# Altium PCB 6_layers_Testboard.PcbDoc (part 2 of 3)
Units mil, origin at the board's own origin, x right, y up, seen from the top; angles counter-clockwise.
Board outline 5500 x 5000 mil, 6 copper layers (Top layer, Ground1, Inner Layer 1, Inner Layer 2, Ground2, Bottom Layer), stack 22.312 mil thick; 137 components, 96 nets, 1379 pads, 782 vias.
Unrouted connection lines stored in the file: 363.
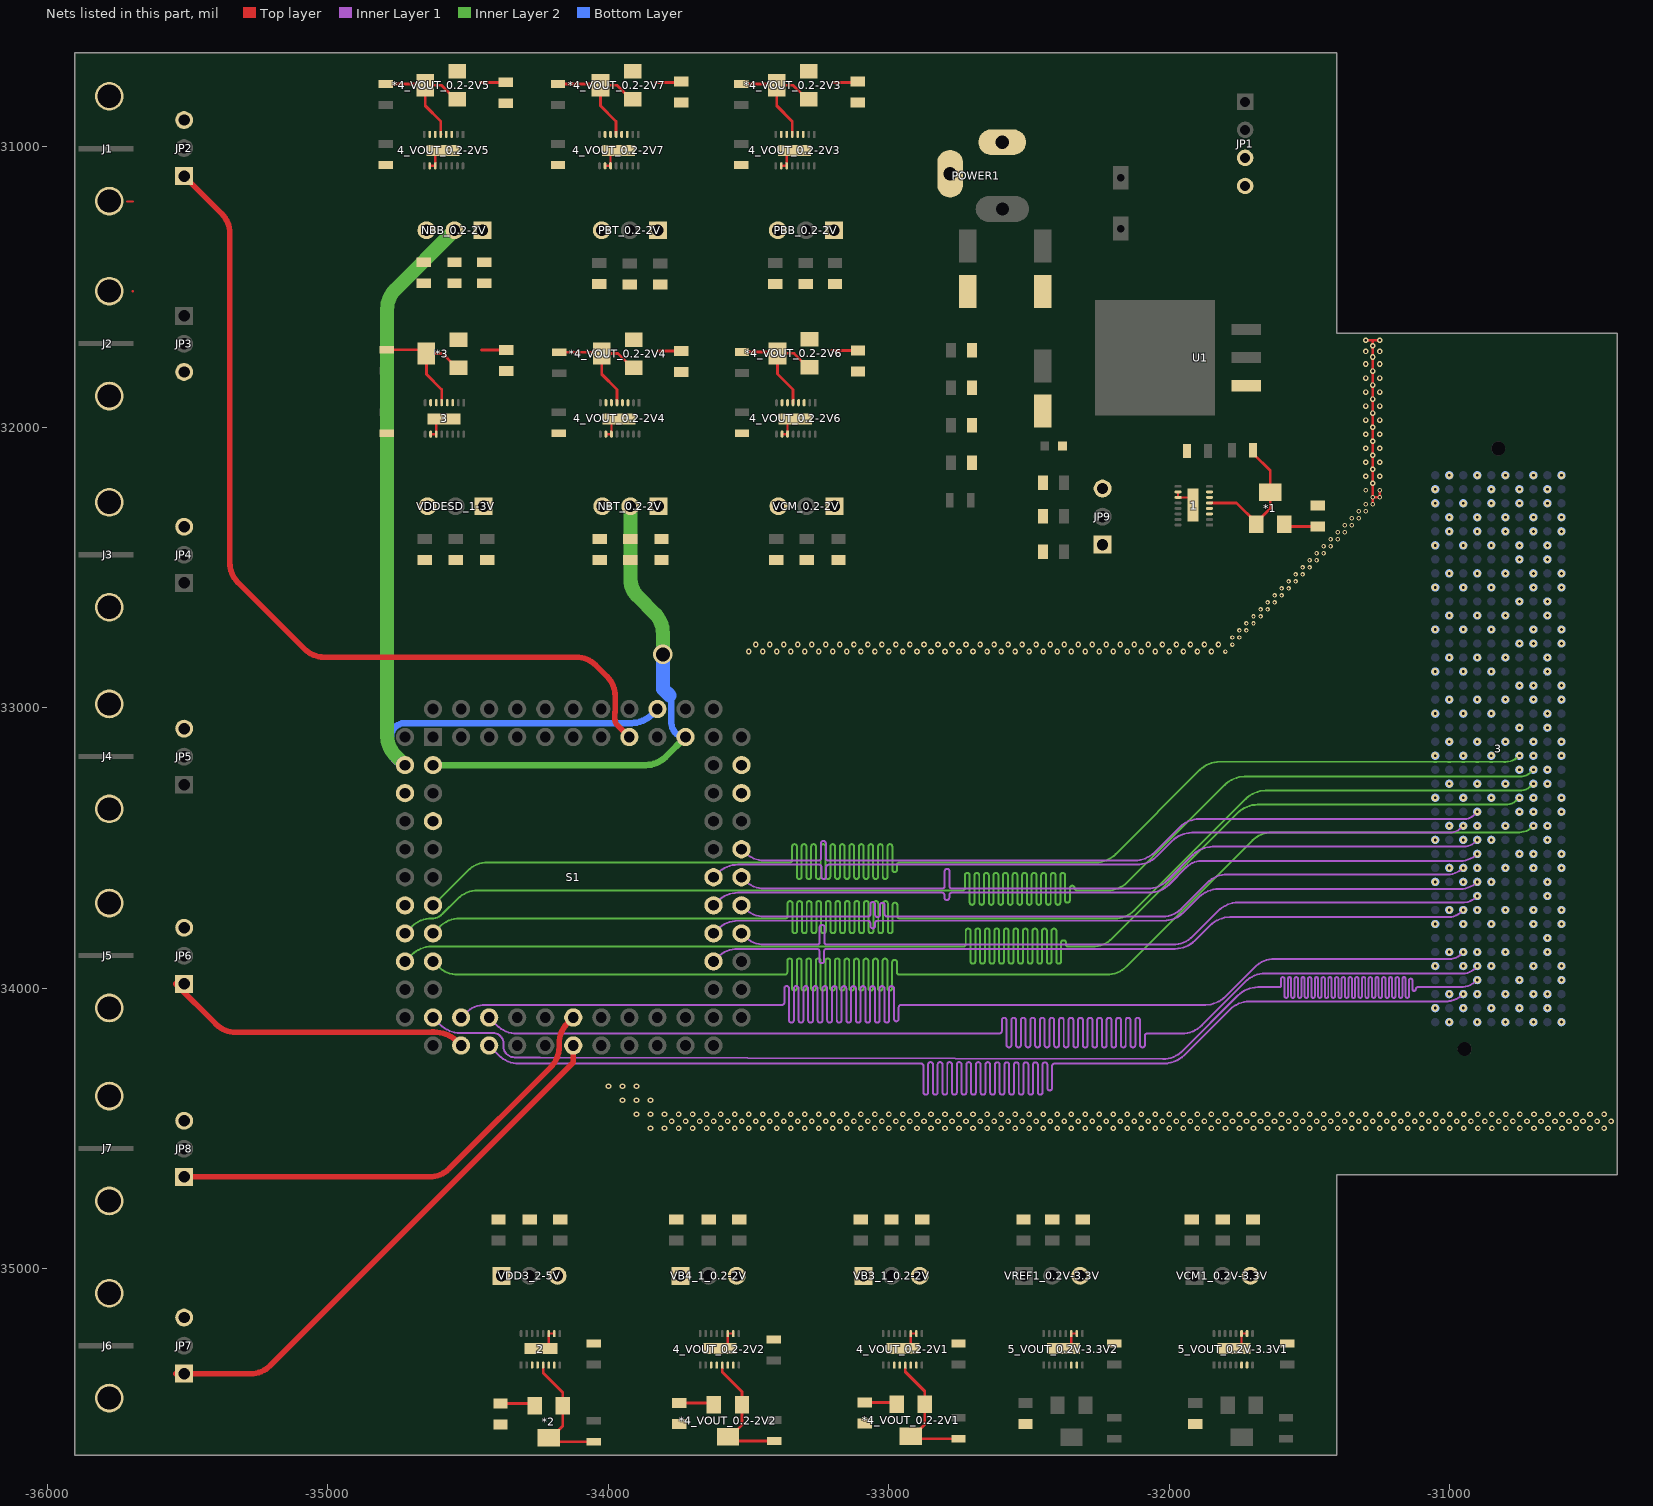
[diagram p6: the nets of this part, all layers, seen from the top]

## Via types
v1: diameter 25, hole 10, Top layer to Bottom Layer, 399 vias
v2: diameter 20, hole 10, Top layer to Bottom Layer, 314 vias
v3: diameter 16, hole 8, Top layer to Bottom Layer, 46 vias
v4: diameter 70, hole 50, Top layer to Bottom Layer, 15 vias
v5: diameter 80, hole 50, Top layer to Bottom Layer, 4 vias
v6: diameter 32, hole 16, Top layer to Bottom Layer, 2 vias
v7: diameter 25, hole 10, Top layer to Bottom Layer, tented both sides, 1 vias
v8: diameter 50, hole 35, Top layer to Bottom Layer, 1 vias

## Nets (pads, with @x,y where several pads share a name; then routed paths per layer and width w, separated by ;. In a path a pad name is that pad's centre, name@x,y a point inside that pad or via, vN(x,y) a via of type N, cw(c..) or ccw(c..) an arc to the next point about the centre after c; other vN are vias at no path point) (continued)
ADC_DOUT3: 3.H32 S1.17 | length 2821.9
  Inner Layer 1 w7: S1.17@-33625.44,-33905 -33609.73,-33889.29 cw(c-33539.02,-33960) -33539.02,-33860 -33277,-33860 -33256.5,-33860 cw(c-33256.5,-33868.5) -33248,-33868.5 -33248,-33902.95 ccw(c-33239.5,-33902.95) -33231,-33902.95 -33231,-33868.5 cw(c-33222.5,-33868.5) -33222.5,-33860 -33135,-33860 -31979.42,-33860 ccw(c-31979.42,-33760) -31908.71,-33830.71 -31854.29,-33776.29 cw(c-31783.58,-33847) -31783.58,-33747 -31013.53,-33747 ccw(c-31013.53,-33659.98) -31002.83,-33746.34 ccw(c-31002.83,-33683.55) -30958.44,-33727.95 v1(-30952,-33721.51)
ADC_DOUT4: 3.G31 S1.18 | length 2821.9
  Inner Layer 1 w7: S1.18@-33525.44,-33805 -33514.73,-33815.71 ccw(c-33444.02,-33745) -33444.02,-33845 -33259,-33845 -33255.5,-33845 ccw(c-33255.5,-33836.5) -33247,-33836.5 -33247,-33783.32 cw(c-33238.5,-33783.32) -33230,-33783.32 -33230,-33836.5 ccw(c-33221.5,-33836.5) -33221.5,-33845 -33121,-33845 -31987.42,-33845 ccw(c-31987.42,-33745) -31916.71,-33815.71 -31825.29,-33724.29 cw(c-31754.58,-33795) -31754.58,-33695 -30958.71,-33695 ccw(c-30958.71,-33614.81) -30950.16,-33694.54 ccw(c-30950.16,-33633.89) -30907.27,-33676.78 v1(-30902,-33671.51)
ADC_DOUT5: 3.G30 S1.19 | length 2821.9
  Inner Layer 1 w7: S1.19@-33625.44,-33805 -33609.73,-33789.29 cw(c-33539.02,-33860) -33539.02,-33760 -33095.37,-33760 -33074.87,-33760 cw(c-33074.87,-33768.5) -33066.37,-33768.5 -33066.37,-33778.35 ccw(c-33057.87,-33778.35) -33049.37,-33778.35 -33049.37,-33768.5 cw(c-33040.87,-33768.5) -33040.87,-33760 -32946.5,-33760 -32020.42,-33760 ccw(c-32020.42,-33660) -31949.71,-33730.71 -31895.29,-33676.29 cw(c-31824.58,-33747) -31824.58,-33647 -30963.53,-33647 ccw(c-30963.53,-33559.98) v1(-30902,-33621.51)
ADC_DOUT6: 3.H29 S1.20 | length 2821.9
  Inner Layer 1 w7: S1.20@-33525.44,-33705 -33514.73,-33715.71 ccw(c-33444.02,-33645) -33444.02,-33745 -33078,-33745 -33074.5,-33745 ccw(c-33074.5,-33736.5) -33066,-33736.5 -33066,-33701.79 cw(c-33057.5,-33701.79) -33049,-33701.79 -33049,-33738.5 ccw(c-33040.5,-33738.5) -33032,-33738.5 -33032,-33704.57 cw(c-33023.5,-33704.57) -33015,-33704.57 -33015,-33736.5 ccw(c-33006.5,-33736.5) -33006.5,-33745 -32909,-33745 -32023.18,-33745 ccw(c-32023.18,-33652.82) -31958,-33718 -31864.29,-33624.29 cw(c-31793.58,-33695) -31793.58,-33595 -31008.71,-33595 ccw(c-31008.71,-33514.81) v1(-30952,-33571.51)
ADC_DOUT7: 3.G28 S1.21 | length 2821.9
  Inner Layer 1 w7: S1.21@-33625.44,-33705 -33609.73,-33689.29 cw(c-33539.02,-33760) -33539.02,-33660 -32830.71,-33660 -32810.21,-33660 cw(c-32810.21,-33668.5) -32801.71,-33668.5 -32801.71,-33677.84 ccw(c-32793.21,-33677.84) -32784.71,-33677.84 -32784.71,-33668.5 cw(c-32776.21,-33668.5) -32776.21,-33660 -32722,-33660 -32071.42,-33660 ccw(c-32071.42,-33560) -32000.71,-33630.71 -31939.29,-33569.29 cw(c-31885.48,-33623.1) -31885.48,-33547 -30963.53,-33547 ccw(c-30963.53,-33459.98) v1(-30902,-33521.51)
ADC_DOUT8: 3.G27 S1.22 | length 2821.9
  Inner Layer 1 w7: S1.22@-33525.44,-33605 -33514.73,-33615.71 ccw(c-33444.02,-33545) -33444.02,-33645 -32813,-33645 -32809.5,-33645 ccw(c-32809.5,-33636.5) -32801,-33636.5 -32801,-33583.34 cw(c-32792.5,-33583.34) -32784,-33583.34 -32784,-33636.5 ccw(c-32775.5,-33636.5) -32775.5,-33645 -32738,-33645 -32077.42,-33645 ccw(c-32077.42,-33545) -32006.71,-33615.71 -31916.29,-33525.29 cw(c-31845.58,-33596) -31845.58,-33496 -30961.12,-33496 ccw(c-30961.12,-33412.39) -30948.98,-33495.11 ccw(c-30948.98,-33438.67) -30909.07,-33478.58 v1(-30902,-33471.51)
ADC_DOUT9: 3.H26 S1.23 | length 2821.9
  Inner Layer 1 w7: S1.23@-33625.44,-33605 -33609.73,-33589.29 cw(c-33539.02,-33660) -33539.02,-33560 -33269.5,-33560 -33249,-33560 cw(c-33249,-33568.5) -33240.5,-33568.5 -33240.5,-33602.88 ccw(c-33232,-33602.88) -33223.5,-33602.88 -33223.5,-33568.5 cw(c-33215,-33568.5) -33215,-33560 -33184.5,-33560 -32116.42,-33560 ccw(c-32116.42,-33460) -32045.71,-33530.71 -31990.29,-33475.29 cw(c-31919.58,-33546) -31919.58,-33446 -31011.12,-33446 ccw(c-31011.12,-33362.39) -30999.97,-33445.25 ccw(c-30999.97,-33386.77) -30958.61,-33428.12 v1(-30952,-33421.51)
ADC_DOUT10: 3.G25 S1.24 | length 2821.9
  Inner Layer 1 w7: S1.24@-33525.44,-33505 -33514.73,-33515.71 ccw(c-33444.02,-33445) -33444.02,-33545 -33254,-33545 -33250.5,-33545 ccw(c-33250.5,-33536.5) -33242,-33536.5 -33242,-33483.68 cw(c-33233.5,-33483.68) -33225,-33483.68 -33225,-33536.5 ccw(c-33216.5,-33536.5) -33216.5,-33545 -33142.9,-33545 -32123.42,-33545 ccw(c-32123.42,-33445) -32052.71,-33515.71 -31963.8,-33426.8 cw(c-31893.09,-33497.51) -31893.09,-33397.51 -30947.86,-33397.51 ccw(c-30947.86,-33349.54) -30913.95,-33383.46 v1(-30902,-33371.51)
ADC_VIN: JP2.1 S1.40 | length 3210
  Top layer w20: JP2.1@-35513,-31105 -35379.29,-31238.71 cw(c-35450,-31309.42) -35350,-31309.42 -35350,-32483.58 ccw(c-35250,-32483.58) -35320.71,-32554.29 -35084.29,-32790.71 ccw(c-35013.58,-32720) -35013.58,-32820 -34115.42,-32820 cw(c-34115.42,-32920) -34044.71,-32849.29 -34005.29,-32888.71 cw(c-34076,-32959.42) -33976,-32959.42 -33976,-33014.59 cw(c-33979.41,-33014.59) -33977,-33017 -33977,-33040 ccw(c-33944.56,-33040) -33967.5,-33062.94 S1.40@-33925.44,-33105
DAC_CLK_AZ_IN1: 3.D24 S1.70 | length 6591.6
  Inner Layer 2 w7: S1.70@-34725.44,-33905 -34701.73,-33881.29 cw(c-34631.02,-33952) -34631.02,-33852 -32737.98,-33852 -32734.48,-33852 ccw(c-32734.48,-33843.5) -32725.98,-33843.5 -32725.98,-33796.28 cw(c-32717.48,-33796.28) -32708.98,-33796.28 -32708.98,-33904.65 ccw(c-32700.48,-33904.65) -32691.98,-33904.65 -32691.98,-33796.28 cw(c-32683.48,-33796.28) -32674.98,-33796.28 -32674.98,-33904.65 ccw(c-32666.48,-33904.65) -32657.98,-33904.65 -32657.98,-33796.28 cw(c-32649.48,-33796.28) -32640.98,-33796.28 -32640.98,-33904.65 ccw(c-32632.48,-33904.65) -32623.98,-33904.65 -32623.98,-33796.28 cw(c-32615.48,-33796.28) -32606.98,-33796.28 -32606.98,-33904.65 ccw(c-32598.48,-33904.65) -32589.98,-33904.65 -32589.98,-33796.28 cw(c-32581.48,-33796.28) -32572.98,-33796.28 -32572.98,-33904.65 ccw(c-32564.48,-33904.65) -32555.98,-33904.65 -32555.98,-33796.28 cw(c-32547.48,-33796.28) -32538.98,-33796.28 -32538.98,-33904.65 ccw(c-32530.48,-33904.65) -32521.98,-33904.65 -32521.98,-33796.28 cw(c-32513.48,-33796.28) -32504.98,-33796.28 -32504.98,-33904.65 ccw(c-32496.48,-33904.65) -32487.98,-33904.65 -32487.98,-33796.28 cw(c-32479.48,-33796.28) -32470.98,-33796.28 -32470.98,-33904.65 ccw(c-32462.48,-33904.65) -32453.98,-33904.65 -32453.98,-33796.28 cw(c-32445.48,-33796.28) -32436.98,-33796.28 -32436.98,-33904.65 ccw(c-32428.48,-33904.65) -32419.98,-33904.65 -32419.98,-33796.28 cw(c-32411.48,-33796.28) -32402.98,-33796.28 -32402.98,-33904.65 ccw(c-32394.48,-33904.65) -32385.98,-33904.65 -32385.98,-33837.96 cw(c-32377.48,-33837.96) -32368.98,-33837.96 -32368.98,-33843.5 ccw(c-32360.48,-33843.5) -32360.48,-33852 -32330.56,-33852 -32274.42,-33852 ccw(c-32274.42,-33752) -32203.71,-33822.71 -31756.29,-33375.29 cw(c-31685.58,-33446) -31685.58,-33346 -30802,-33346 ccw(c-30802,-33284.41) -30758.45,-33327.96 v1(-30752,-33321.51)
DAC_CLK_DAC_IN1: 3.C26 S1.71 | length 6591.6
  Inner Layer 2 w7: S1.71@-34625.44,-33905 -34607.73,-33922.71 ccw(c-34537.02,-33852) -34537.02,-33952 -33374.39,-33952 -33370.89,-33952 ccw(c-33370.89,-33943.5) -33362.39,-33943.5 -33362.39,-33903.2 cw(c-33353.89,-33903.2) -33345.39,-33903.2 -33345.39,-34000.52 ccw(c-33336.89,-34000.52) -33328.39,-34000.52 -33328.39,-33903.2 cw(c-33319.89,-33903.2) -33311.39,-33903.2 -33311.39,-34000.52 ccw(c-33302.89,-34000.52) -33294.39,-34000.52 -33294.39,-33903.2 cw(c-33285.89,-33903.2) -33277.39,-33903.2 -33277.39,-34000.52 ccw(c-33268.89,-34000.52) -33260.39,-34000.52 -33260.39,-33903.2 cw(c-33251.89,-33903.2) -33243.39,-33903.2 -33243.39,-34000.52 ccw(c-33234.89,-34000.52) -33226.39,-34000.52 -33226.39,-33903.2 cw(c-33217.89,-33903.2) -33209.39,-33903.2 -33209.39,-34000.52 ccw(c-33200.89,-34000.52) -33192.39,-34000.52 -33192.39,-33903.2 cw(c-33183.89,-33903.2) -33175.39,-33903.2 -33175.39,-34000.52 ccw(c-33166.89,-34000.52) -33158.39,-34000.52 -33158.39,-33903.2 cw(c-33149.89,-33903.2) -33141.39,-33903.2 -33141.39,-34000.52 ccw(c-33132.89,-34000.52) -33124.39,-34000.52 -33124.39,-33903.2 cw(c-33115.89,-33903.2) -33107.39,-33903.2 -33107.39,-34000.52 ccw(c-33098.89,-34000.52) -33090.39,-34000.52 -33090.39,-33903.2 cw(c-33081.89,-33903.2) -33073.39,-33903.2 -33073.39,-34000.52 ccw(c-33064.89,-34000.52) -33056.39,-34000.52 -33056.39,-33903.2 cw(c-33047.89,-33903.2) -33039.39,-33903.2 -33039.39,-34000.52 ccw(c-33030.89,-34000.52) -33022.39,-34000.52 -33022.39,-33903.2 cw(c-33013.89,-33903.2) -33005.39,-33903.2 -33005.39,-34000.52 ccw(c-32996.89,-34000.52) -32988.39,-34000.52 -32988.39,-33908.12 cw(c-32979.89,-33908.12) -32971.39,-33908.12 -32971.39,-33943.5 ccw(c-32962.89,-33943.5) -32962.89,-33952 -32855.32,-33952 -32223.42,-33952 ccw(c-32223.42,-33852) -32152.71,-33922.71 -31703.94,-33473.94 cw(c-31633.23,-33544.65) -31633.23,-33444.65 -30752,-33444.65 ccw(c-30752,-33379.8) -30706.15,-33425.66 v1(-30702,-33421.51)
DAC_CLK_IN1: 3.G37 S1.76 | length 6587.4
  Inner Layer 1 w7: S1.76@-34625.44,-34105 -34599.73,-34130.71 ccw(c-34529.02,-34060) -34529.02,-34160 -34412,-34160 cw(c-34412,-34197.63) -34374.37,-34197.63 -34374.37,-34207.53 ccw(c-34334.9,-34207.53) -34334.9,-34247 -34245.71,-34247 cw(c-34245.71,-34254) -34243.99,-34247.21 -32023.44,-34253 ; -32023.42,-34253 ccw(c-32023.42,-34153) -31952.71,-34223.71 -31755.29,-34026.29 cw(c-31684.58,-34097) -31684.58,-33997 -31612,-33997 -31608.5,-33997 ccw(c-31608.5,-33990) -31601.5,-33990 -31601.5,-33967 cw(c-31595.5,-33967) -31589.5,-33967 -31589.5,-34029 ccw(c-31583.5,-34029) -31577.5,-34029 -31577.5,-33967 cw(c-31571.5,-33967) -31565.5,-33967 -31565.5,-34029 ccw(c-31559.5,-34029) -31553.5,-34029 -31553.5,-33967 cw(c-31547.5,-33967) -31541.5,-33967 -31541.5,-34029 ccw(c-31535.5,-34029) -31529.5,-34029 -31529.5,-33967 cw(c-31523.5,-33967) -31517.5,-33967 -31517.5,-34029 ccw(c-31511.5,-34029) -31505.5,-34029 -31505.5,-33967 cw(c-31499.5,-33967) -31493.5,-33967 -31493.5,-34029 ccw(c-31487.5,-34029) -31481.5,-34029 -31481.5,-33967 cw(c-31475.5,-33967) -31469.5,-33967 -31469.5,-34029 ccw(c-31463.5,-34029) -31457.5,-34029 -31457.5,-33967 cw(c-31451.5,-33967) -31445.5,-33967 -31445.5,-34029 ccw(c-31439.5,-34029) -31433.5,-34029 -31433.5,-33967 cw(c-31427.5,-33967) -31421.5,-33967 -31421.5,-34029 ccw(c-31415.5,-34029) -31409.5,-34029 -31409.5,-33967 cw(c-31403.5,-33967) -31397.5,-33967 -31397.5,-34029 ccw(c-31391.5,-34029) -31385.5,-34029 -31385.5,-33967 cw(c-31379.5,-33967) -31373.5,-33967 -31373.5,-34029 ccw(c-31367.5,-34029) -31361.5,-34029 -31361.5,-33967 cw(c-31355.5,-33967) -31349.5,-33967 -31349.5,-34029 ccw(c-31343.5,-34029) -31337.5,-34029 -31337.5,-33967 cw(c-31331.5,-33967) -31325.5,-33967 -31325.5,-34029 ccw(c-31319.5,-34029) -31313.5,-34029 -31313.5,-33967 cw(c-31307.5,-33967) -31301.5,-33967 -31301.5,-34029 ccw(c-31295.5,-34029) -31289.5,-34029 -31289.5,-33967 cw(c-31283.5,-33967) -31277.5,-33967 -31277.5,-34029 ccw(c-31271.5,-34029) -31265.5,-34029 -31265.5,-33967 cw(c-31259.5,-33967) -31253.5,-33967 -31253.5,-34029 ccw(c-31247.5,-34029) -31241.5,-34029 -31241.5,-33967 cw(c-31235.5,-33967) -31229.5,-33967 -31229.5,-34029 ccw(c-31223.5,-34029) -31217.5,-34029 -31217.5,-33967 cw(c-31211.5,-33967) -31205.5,-33967 -31205.5,-34029 ccw(c-31199.5,-34029) -31193.5,-34029 -31193.5,-33967 cw(c-31187.5,-33967) -31181.5,-33967 -31181.5,-34029 ccw(c-31175.5,-34029) -31169.5,-34029 -31169.5,-33967 cw(c-31163.5,-33967) -31157.5,-33967 -31157.5,-34029 ccw(c-31151.5,-34029) -31145.5,-34029 -31145.5,-33972.36 cw(c-31139.5,-33972.36) -31133.5,-33972.36 -31133.5,-34004 ccw(c-31127.5,-34004) -31121.5,-34004 cw(c-31114.5,-34004) -31114.5,-33997 -31073.81,-33997 -30963.53,-33997 ccw(c-30963.53,-33909.98) v1(-30902,-33971.51)
DAC_DATAIN_IN1: 3.C22 S1.68 | length 6591.6
  Inner Layer 2 w7: S1.68@-34725.44,-33805 -34701.73,-33781.29 cw(c-34631.02,-33852) -34631.02,-33752 ccw(c-34631.02,-33696.43) -34591.72,-33735.72 -34537.29,-33681.29 cw(c-34466.58,-33752) -34466.58,-33652 -32740.9,-33652 -32737.39,-33652 ccw(c-32737.39,-33643.5) -32728.89,-33643.5 -32728.89,-33597.78 cw(c-32720.39,-33597.78) -32711.89,-33597.78 -32711.89,-33694.61 ccw(c-32703.39,-33694.61) -32694.89,-33694.61 -32694.89,-33597.78 cw(c-32686.39,-33597.78) -32677.89,-33597.78 -32677.89,-33694.61 ccw(c-32669.39,-33694.61) -32660.89,-33694.61 -32660.89,-33597.78 cw(c-32652.39,-33597.78) -32643.89,-33597.78 -32643.89,-33694.61 ccw(c-32635.39,-33694.61) -32626.89,-33694.61 -32626.89,-33597.78 cw(c-32618.39,-33597.78) -32609.89,-33597.78 -32609.89,-33694.61 ccw(c-32601.39,-33694.61) -32592.89,-33694.61 -32592.89,-33597.78 cw(c-32584.39,-33597.78) -32575.89,-33597.78 -32575.89,-33694.61 ccw(c-32567.39,-33694.61) -32558.89,-33694.61 -32558.89,-33597.78 cw(c-32550.39,-33597.78) -32541.89,-33597.78 -32541.89,-33694.61 ccw(c-32533.39,-33694.61) -32524.89,-33694.61 -32524.89,-33597.78 cw(c-32516.39,-33597.78) -32507.89,-33597.78 -32507.89,-33694.61 ccw(c-32499.39,-33694.61) -32490.89,-33694.61 -32490.89,-33597.78 cw(c-32482.39,-33597.78) -32473.89,-33597.78 -32473.89,-33694.61 ccw(c-32465.39,-33694.61) -32456.89,-33694.61 -32456.89,-33597.78 cw(c-32448.39,-33597.78) -32439.89,-33597.78 -32439.89,-33694.61 ccw(c-32431.39,-33694.61) -32422.89,-33694.61 -32422.89,-33597.78 cw(c-32414.39,-33597.78) -32405.89,-33597.78 -32405.89,-33694.61 ccw(c-32397.39,-33694.61) -32388.89,-33694.61 -32388.89,-33597.78 cw(c-32380.39,-33597.78) -32371.89,-33597.78 -32371.89,-33687.2 ccw(c-32363.39,-33687.2) -32354.89,-33687.2 -32354.89,-33643.5 cw(c-32346.39,-33643.5) -32337.89,-33643.5 ccw(c-32329.39,-33643.5) -32329.39,-33652 -32294.96,-33652 -32220.42,-33652 ccw(c-32220.42,-33552) -32149.71,-33622.71 -31802.29,-33275.29 cw(c-31731.58,-33346) -31731.58,-33246 -30750,-33246 ccw(c-30750,-33189.24) -30709.86,-33229.37 v1(-30702,-33221.51)
DAC_RST_IN1: 3.C23 S1.69 | length 6591.6
  Inner Layer 2 w7: S1.69@-34625.44,-33805 -34601.73,-33781.29 cw(c-34531.02,-33852) -34531.02,-33752 -33373,-33752 -33369.5,-33752 ccw(c-33369.5,-33743.5) -33361,-33743.5 -33361,-33698.3 cw(c-33352.5,-33698.3) -33344,-33698.3 -33344,-33796.06 ccw(c-33335.5,-33796.06) -33327,-33796.06 -33327,-33698.3 cw(c-33318.5,-33698.3) -33310,-33698.3 -33310,-33796.06 ccw(c-33301.5,-33796.06) -33293,-33796.06 -33293,-33698.3 cw(c-33284.5,-33698.3) -33276,-33698.3 -33276,-33796.06 ccw(c-33267.5,-33796.06) -33259,-33796.06 -33259,-33698.3 cw(c-33250.5,-33698.3) -33242,-33698.3 -33242,-33796.06 ccw(c-33233.5,-33796.06) -33225,-33796.06 -33225,-33698.3 cw(c-33216.5,-33698.3) -33208,-33698.3 -33208,-33796.06 ccw(c-33199.5,-33796.06) -33191,-33796.06 -33191,-33698.3 cw(c-33182.5,-33698.3) -33174,-33698.3 -33174,-33796.06 ccw(c-33165.5,-33796.06) -33157,-33796.06 -33157,-33698.3 cw(c-33148.5,-33698.3) -33140,-33698.3 -33140,-33796.06 ccw(c-33131.5,-33796.06) -33123,-33796.06 -33123,-33698.3 cw(c-33114.5,-33698.3) -33106,-33698.3 -33106,-33796.06 ccw(c-33097.5,-33796.06) -33089,-33796.06 -33089,-33698.3 cw(c-33080.5,-33698.3) -33072,-33698.3 -33072,-33796.06 ccw(c-33063.5,-33796.06) -33055,-33796.06 -33055,-33698.3 cw(c-33046.5,-33698.3) -33038,-33698.3 -33038,-33796.06 ccw(c-33029.5,-33796.06) -33021,-33796.06 -33021,-33698.3 cw(c-33012.5,-33698.3) -33004,-33698.3 -33004,-33796.06 ccw(c-32995.5,-33796.06) -32987,-33796.06 -32987,-33704 cw(c-32978.5,-33704) -32970,-33704 -32970,-33743.5 ccw(c-32961.5,-33743.5) -32961.5,-33752 -32825.9,-33752 -32195.42,-33752 ccw(c-32195.42,-33652) -32124.71,-33722.71 -31727.29,-33325.29 cw(c-31656.58,-33396) -31656.58,-33296 -30752,-33296 ccw(c-30752,-33234.41) -30708.45,-33277.96 v1(-30702,-33271.51)
DAC_SHIFTOUT1: 3.G36 S1.80 | length 6585.9
  Inner Layer 1 w7: S1.80@-34425.44,-34105 -34397.73,-34132.71 ccw(c-34327.02,-34062) -34327.02,-34162 -32609.56,-34162 -32606.06,-34162 ccw(c-32606.06,-34153.5) -32597.56,-34153.5 -32597.56,-34114.25 cw(c-32589.06,-34114.25) -32580.56,-34114.25 -32580.56,-34203.28 ccw(c-32572.06,-34203.28) -32563.56,-34203.28 -32563.56,-34114.25 cw(c-32555.06,-34114.25) -32546.56,-34114.25 -32546.56,-34203.28 ccw(c-32538.06,-34203.28) -32529.56,-34203.28 -32529.56,-34114.25 cw(c-32521.06,-34114.25) -32512.56,-34114.25 -32512.56,-34203.28 ccw(c-32504.06,-34203.28) -32495.56,-34203.28 -32495.56,-34114.25 cw(c-32487.06,-34114.25) -32478.56,-34114.25 -32478.56,-34203.28 ccw(c-32470.06,-34203.28) -32461.56,-34203.28 -32461.56,-34114.25 cw(c-32453.06,-34114.25) -32444.56,-34114.25 -32444.56,-34203.28 ccw(c-32436.06,-34203.28) -32427.56,-34203.28 -32427.56,-34114.25 cw(c-32419.06,-34114.25) -32410.56,-34114.25 -32410.56,-34203.28 ccw(c-32402.06,-34203.28) -32393.56,-34203.28 -32393.56,-34114.25 cw(c-32385.06,-34114.25) -32376.56,-34114.25 -32376.56,-34203.28 ccw(c-32368.06,-34203.28) -32359.56,-34203.28 -32359.56,-34114.25 cw(c-32351.06,-34114.25) -32342.56,-34114.25 -32342.56,-34203.28 ccw(c-32334.06,-34203.28) -32325.56,-34203.28 -32325.56,-34114.25 cw(c-32317.06,-34114.25) -32308.56,-34114.25 -32308.56,-34203.28 ccw(c-32300.06,-34203.28) -32291.56,-34203.28 -32291.56,-34114.25 cw(c-32283.06,-34114.25) -32274.56,-34114.25 -32274.56,-34203.28 ccw(c-32266.06,-34203.28) -32257.56,-34203.28 -32257.56,-34114.25 cw(c-32249.06,-34114.25) -32240.56,-34114.25 -32240.56,-34203.28 ccw(c-32232.06,-34203.28) -32223.56,-34203.28 -32223.56,-34114.25 cw(c-32215.06,-34114.25) -32206.56,-34114.25 -32206.56,-34203.28 ccw(c-32198.06,-34203.28) -32189.56,-34203.28 -32189.56,-34114.25 cw(c-32181.06,-34114.25) -32172.56,-34114.25 -32172.56,-34203.28 ccw(c-32164.06,-34203.28) -32155.56,-34203.28 -32155.56,-34114.25 cw(c-32147.06,-34114.25) -32138.56,-34114.25 -32138.56,-34203.28 ccw(c-32130.06,-34203.28) -32121.56,-34203.28 -32121.56,-34114.25 cw(c-32113.06,-34114.25) -32104.56,-34114.25 -32104.56,-34203.28 ccw(c-32096.06,-34203.28) -32087.56,-34203.28 -32087.56,-34170.5 cw(c-32079.06,-34170.5) -32079.06,-34162 -32023.42,-34162 -31955.04,-34162 ccw(c-31955.04,-34062) -31884.33,-34132.71 -31728.9,-33977.29 cw(c-31658.19,-34048) -31658.19,-33948 -30953,-33948 ccw(c-30953,-33888.82) -30911.16,-33930.67 v1(-30902,-33921.51)
DAC_SYNC_IN1: 3.D21 S1.67 | length 6591.6
  Inner Layer 2 w7: S1.67@-34625.44,-33705 -34501.73,-33581.29 cw(c-34431.02,-33652) -34431.02,-33552 -33357,-33552 -33353.5,-33552 ccw(c-33353.5,-33543.5) -33345,-33543.5 -33345,-33495.49 cw(c-33336.5,-33495.49) -33328,-33495.49 -33328,-33602.57 ccw(c-33319.5,-33602.57) -33311,-33602.57 -33311,-33495.49 cw(c-33302.5,-33495.49) -33294,-33495.49 -33294,-33602.57 ccw(c-33285.5,-33602.57) -33277,-33602.57 -33277,-33495.49 cw(c-33268.5,-33495.49) -33260,-33495.49 -33260,-33602.57 ccw(c-33251.5,-33602.57) -33243,-33602.57 -33243,-33495.49 cw(c-33234.5,-33495.49) -33226,-33495.49 -33226,-33602.57 ccw(c-33217.5,-33602.57) -33209,-33602.57 -33209,-33495.49 cw(c-33200.5,-33495.49) -33192,-33495.49 -33192,-33602.57 ccw(c-33183.5,-33602.57) -33175,-33602.57 -33175,-33495.49 cw(c-33166.5,-33495.49) -33158,-33495.49 -33158,-33602.57 ccw(c-33149.5,-33602.57) -33141,-33602.57 -33141,-33495.49 cw(c-33132.5,-33495.49) -33124,-33495.49 -33124,-33602.57 ccw(c-33115.5,-33602.57) -33107,-33602.57 -33107,-33495.49 cw(c-33098.5,-33495.49) -33090,-33495.49 -33090,-33602.57 ccw(c-33081.5,-33602.57) -33073,-33602.57 -33073,-33495.49 cw(c-33064.5,-33495.49) -33056,-33495.49 -33056,-33602.57 ccw(c-33047.5,-33602.57) -33039,-33602.57 -33039,-33495.49 cw(c-33030.5,-33495.49) -33022,-33495.49 -33022,-33602.57 ccw(c-33013.5,-33602.57) -33005,-33602.57 -33005,-33495.49 cw(c-32996.5,-33495.49) -32988,-33495.49 -32988,-33577.75 ccw(c-32979.5,-33577.75) -32971,-33577.75 -32971,-33560.5 cw(c-32962.5,-33560.5) -32962.5,-33552 -32827.4,-33552 -32262.42,-33552 ccw(c-32262.42,-33452) -32191.71,-33522.71 -31891.29,-33222.29 cw(c-31820.58,-33293) -31820.58,-33193 -31057.39,-33193 cw(c-31057.43,-33200) -31056.15,-33193.12 ccw(c-31052,-33171.51) -31047.85,-33193.12 cw(c-31046.57,-33200) -31046.61,-33193 -31007.39,-33193 cw(c-31007.43,-33200) -31006.15,-33193.12 ccw(c-31002,-33171.51) -30997.85,-33193.12 cw(c-30996.57,-33200) -30996.61,-33193 -30957.39,-33193 cw(c-30957.43,-33200) -30956.15,-33193.12 ccw(c-30952,-33171.51) -30947.85,-33193.12 cw(c-30946.57,-33200) -30946.61,-33193 -30907.39,-33193 cw(c-30907.43,-33200) -30906.15,-33193.12 ccw(c-30902,-33171.51) -30897.85,-33193.12 cw(c-30896.57,-33200) -30896.61,-33193 -30857.39,-33193 cw(c-30857.43,-33200) -30856.15,-33193.12 ccw(c-30852,-33171.51) -30847.85,-33193.12 cw(c-30846.57,-33200) -30846.61,-33193 -30807.39,-33193 cw(c-30807.43,-33200) -30806.15,-33193.12 ccw(c-30802,-33171.51) -30800.98,-33193.49 ccw(c-30800.98,-33128.3) -30754.88,-33174.4 v1(-30752,-33171.51)